# Altium PCB LED_12T-V2.0.PcbDoc
Units mm, origin at the board's own origin, x right, y up, seen from the top; angles counter-clockwise.
Board outline 152.4 x 101.6 mm, 2 copper layers (Top Layer, Bottom Layer); 37 components, 23 nets, 100 pads, 63 vias.
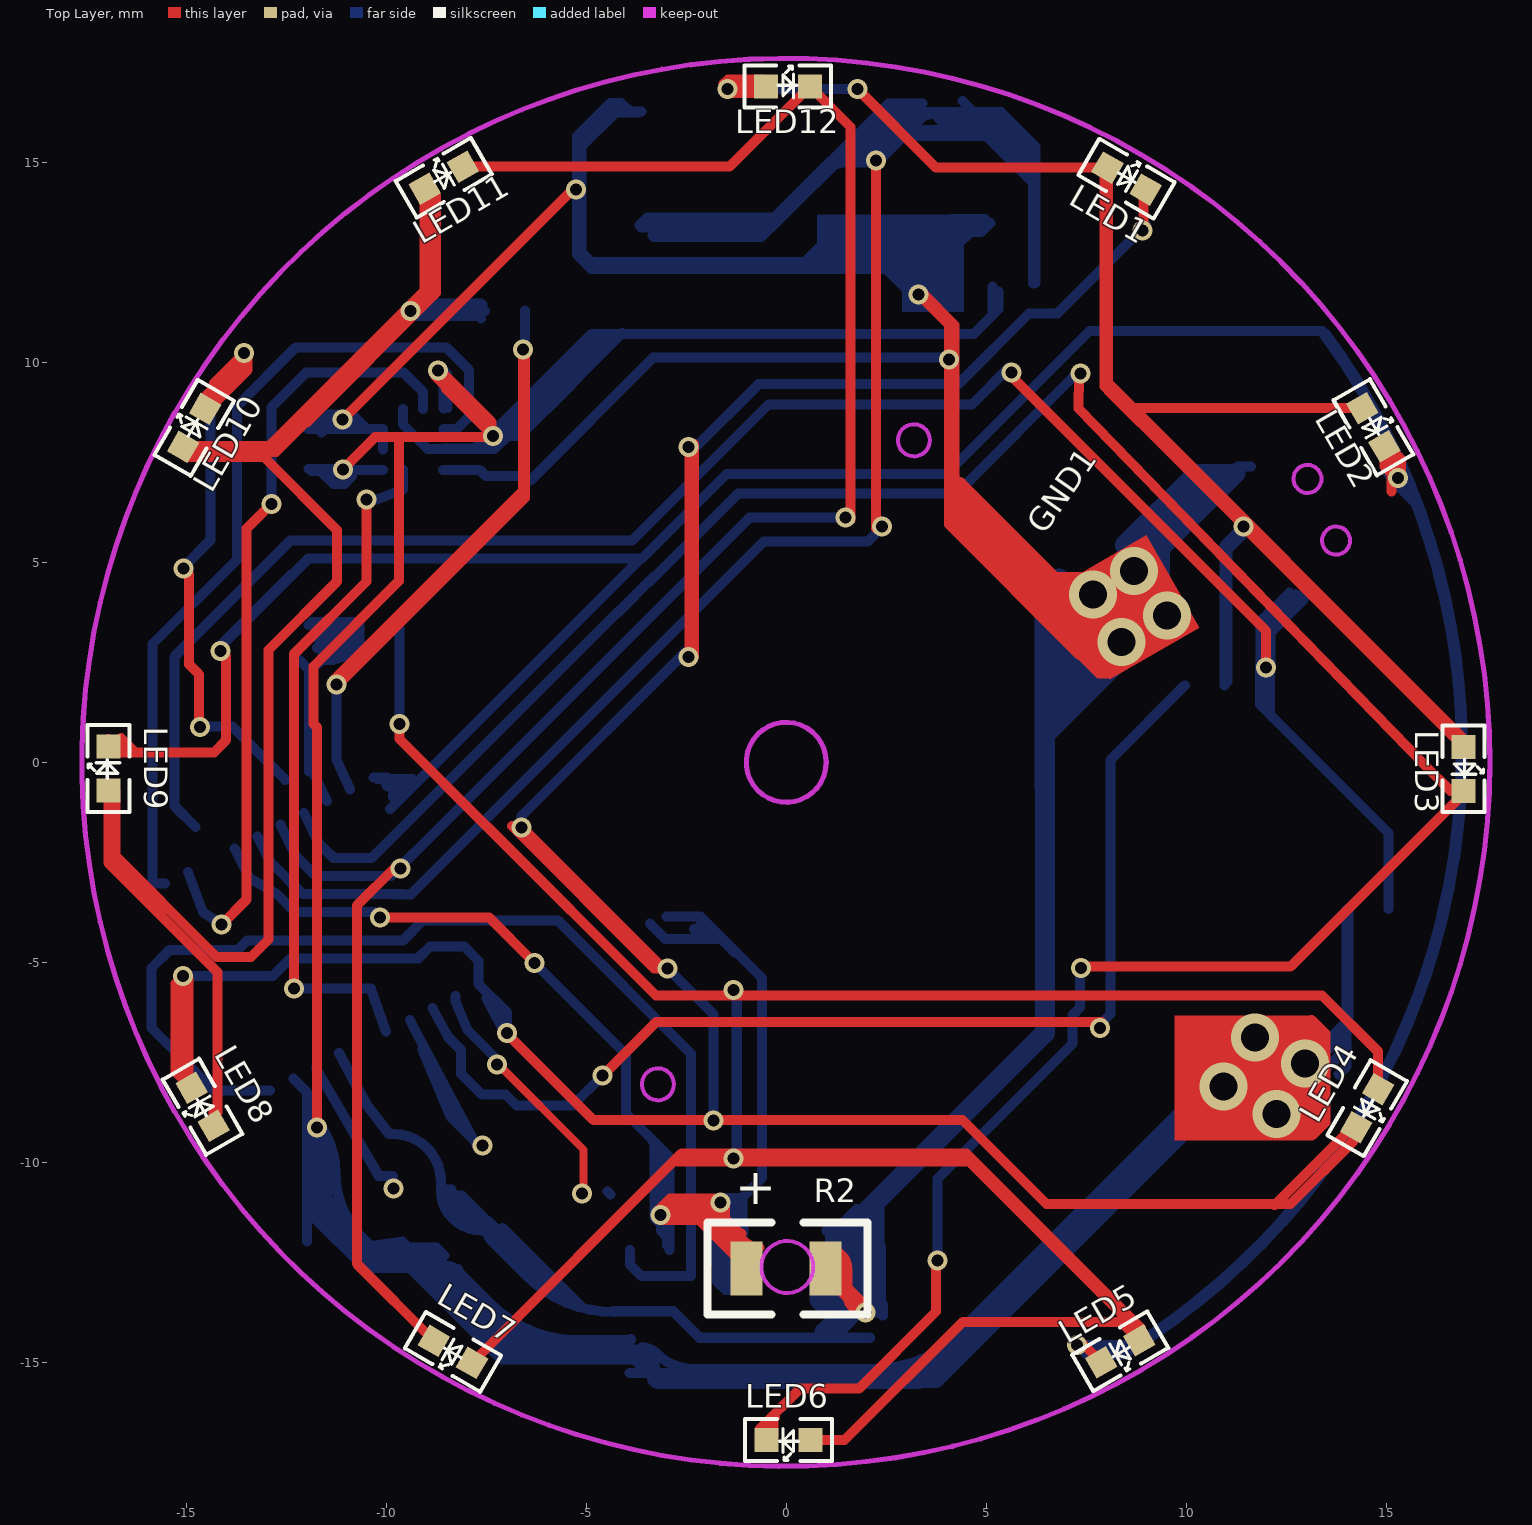
[diagram p0: Top Layer view]
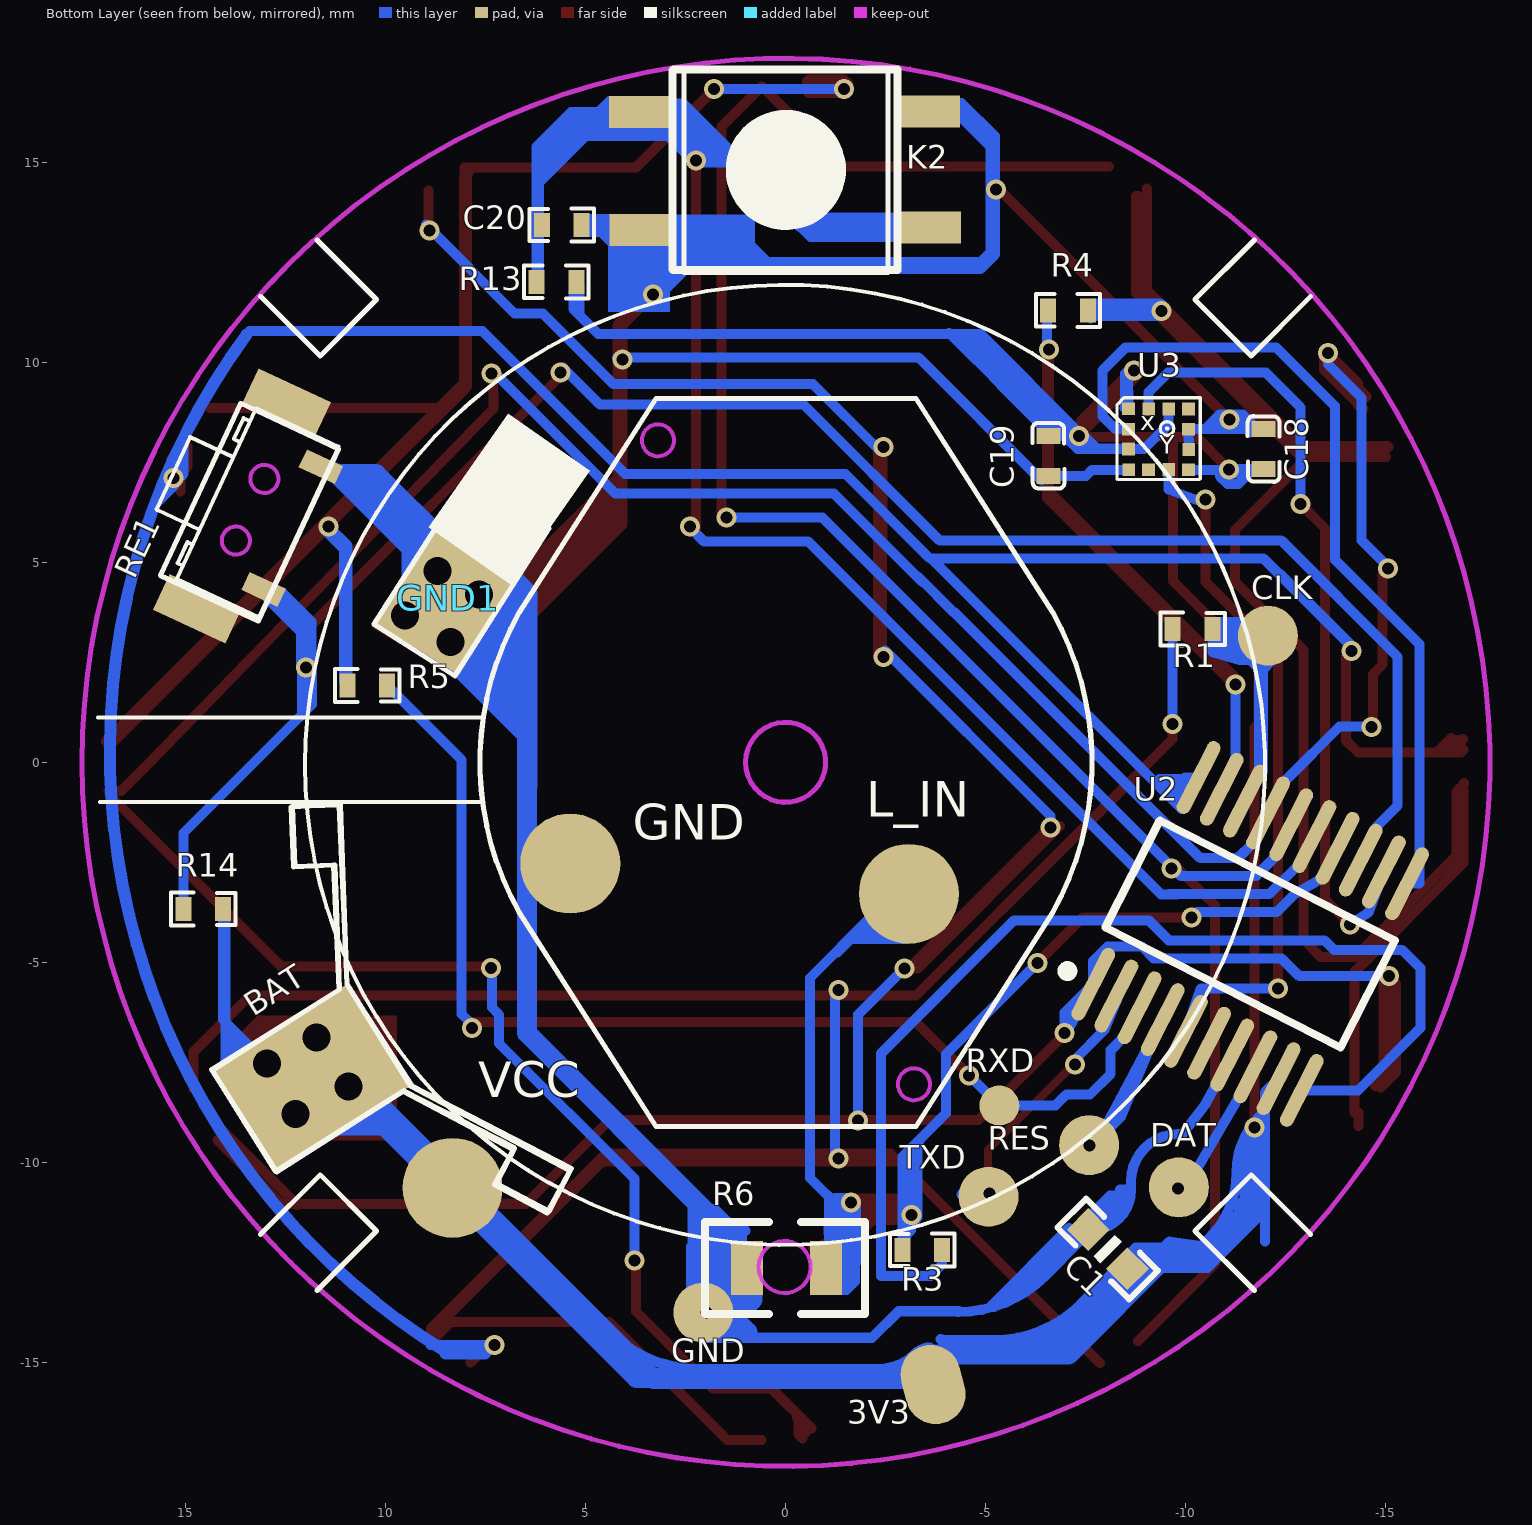
[diagram p1: Bottom Layer view, seen from below]

## Layer stack, top to bottom
Top Layer: signal copper 0.0356
Dielectric: dielectric 0.32, FR-4, Dk 4.8
Bottom Layer: signal copper 0.0356

## Board outline
-289.524,-161.624 -137.124,-161.624 -137.124,-60.024 -289.524,-60.024

## Design rules (kind name [scope] priority, off if disabled: settings)
Clearance [All] p1: gap=0.2
PolygonConnect [All] p1: connectstyle=Relief reliefconductorwidth=0.254 reliefentries=4 polygonreliefangle="90 Angle"
RoutingVias [All] p1: holewidth=0.3 width=0.5 viastyle="Through Hole" minholewidth=0.3 minwidth=0.5 maxholewidth=0.3 maxwidth=0.5
SilkscreenOverComponentPads [All] p1: minsilkscreentomaskgap=0.254
SolderMaskExpansion [All] p1: expansion=0.102
Width [All] p1: maxlimit=0.5 minlimit=0.127 preferedwidth=0.25
27 further rules are at their usual default settings.

## Classes and differential pairs
component class LED_12T-V2.0: 3V3 BAT C1 C18 C19 CLK DAT GND K2 LED1 LED2 LED3 LED4 LED5 LED6 LED7 LED8 LED9 LED10 LED11 LED12 R1 R2 R3 R4 R5 R13 R14 RE1 RES RXD TXD U2 U3

## Components (designator, comment, footprint, x,y, rotation, side; value= is the part's Value field where it differs from the comment)
3V3 "测试点" 测试点#1 -3.648,-15.58 r315 bottom
BAT "+" CR2450_Z 11.8,-7.504 r237.5 bottom
C1 "104" 0603P -8.049,-12.157 r225 bottom
C18 "104" 0402_C -11.939,7.861 r90 bottom
C19 "104" 0402_C -6.577,7.655 r270 bottom
C20 "104" 0402_R 5.662,13.455 r0 bottom (schematic designator R13)
CLK "测试点" 测试点#2 -12.107,3.175 r180 bottom
DAT "测试点" 测试点#2 -9.878,-10.616 r180 bottom
GND "GND" 测试点#2 2.008,-13.746 r180 bottom
GND1 "测试点" 测试点#3 8.465,4.161 r55 top
K2 "SW-02" 四向滚珠开关 0.017,14.813 r0 bottom
LED1 "LED" 0402_LED 8.519,14.58 r330 top
LED2 "LED" 0402_LED 14.679,8.364 r300 top
LED3 "LED" 0402_LED 16.922,-0.17 r270 top
LED4 "LED" 0402_LED 14.506,-8.646 r240 top
LED5 "LED" 0402_LED 8.331,-14.713 r210 top
LED6 "LED" 0402_LED 0.042,-16.922 r180 top
LED7 "LED" 0402_LED -8.338,-14.709 r150 top
LED8 "LED" 0402_LED -14.587,-8.579 r120 top
LED9 "LED" 0402_LED -16.933,-0.124 r90 top
LED10 "LED" 0402_LED -14.779,8.38 r60 top
LED11 "LED" 0402_LED -8.537,14.622 r30 top
LED12 "LED" 0402_LED 0.061,16.897 r0 top (schematic designator LED11)
R1 "1K" 0402_R -10.23,3.333 r180 bottom
R2 "1K" 0805_R -0.913,-12.641 r0 top
R3 "100K" 0402_R -3.351,-12.171 r0 bottom
R4 "1K" 0402_R -6.998,11.321 r0 bottom
R5 "1K" 0402_R 10.403,1.921 r180 bottom
R6 "1K" 0805_R -0.933,-12.635 r0 bottom (schematic designator R2)
R13 "1M" 0402_R 5.79,12.034 r0 bottom
R14 "1M" 0402_R 14.5,-3.672 r180 bottom
RE1 "KEY_M" "轻触开关 2x4" 13.281,6.271 r115 bottom
RES "测试点" 测试点#2 -7.638,-9.559 r180 bottom (schematic designator RESET)
RXD "测试点" 测试点#4 -5.39,-8.572 r180 bottom
TXD "测试点" 测试点#2 -5.121,-10.851 r180 bottom
U2 "N76E003" STSOP20 -11.984,-4.089 r297 bottom
U3 "SC7A21" LGA-12-2*2*1 -9.325,8.148 r180 bottom

## Footprints (in the part's own frame and the unit in brackets; to place one, negate y for a bottom-side part, rotate by r counter-clockwise, add the part's x,y. Pads: shape width x height; smd on the part's side, far side on the other; paste and mask are expansions set on the pad)
0402_C [mm]
  rect 0.4x0.6 smd: 1(-0.518,-0.008) 2(0.485,-0.01)
  silkscreen extent -0.84,-0.41 0.8,0.39
0402_LED [mm]
  rect 0.6x0.6 smd: 1(-0.568,0.013) 2(0.532,0.013)
  silkscreen extent -1.1,-0.51 1.07,0.54
0402_R [mm]
  rect 0.4x0.6 smd: 1(-0.558,0.013) 2(0.435,0.013)
  silkscreen extent -0.86,-0.4 0.75,0.42
0603P [mil]
  rect 30x30 smd: 1(-27,0) 2(27.5,-0.06)
  silkscreen extent -50,-20 50,20
0805_R [mm]
  rect 0.8x1.35 smd: 1(-0.076,0) 2(1.9,0)
  silkscreen extent -1.05,-1.15 2.95,1.15
CR2450_Z [mm]
  rect 3x4 smd paste+0: 1(0.288,-0.213)
  silkscreen extent -5.69,-2.27 6.31,4.04
LGA-12-2*2*1 [mm]
  rect 0.32x0.32 smd: 1(-0.757,0.702) 2(-0.76,0.19) 3(-0.758,-0.308) 4(-0.751,-0.826) 5(-0.253,-0.826) 6(0.25,-0.82) 7(0.748,-0.826) 8(0.75,-0.314) 9(0.748,0.19) 10(0.748,0.699) 11(0.25,0.696) 12(-0.251,0.699)
  silkscreen extent -1.04,-1.07 1.04,0.97
STSOP20 [mm]
  oval 2x0.35 smd: 1(3.241,-3.17) 2(3.241,-2.52) 3(3.241,-1.87) 4(3.241,-1.22) 5(3.241,-0.57) 6(3.241,0.08) 7(3.241,0.73) 8(3.241,1.38) 9(3.241,2.03) 10(3.241,2.68) 11(-2.559,2.68) 12(-2.559,2.03) 13(-2.559,1.38) 14(-2.559,0.73) 15(-2.559,0.08) 16(-2.559,-0.57) 17(-2.559,-1.22) 18(-2.559,-1.87) 19(-2.559,-2.52) 20(-2.559,-3.17)
  silkscreen extent -1.16,-4.02 3.37,3.06
四向滚珠开关 [mm]
  rect 1.5x0.8 smd: 1(-3.629,-1.47) 2(3.651,-1.454) 3(3.635,1.493) 4(-3.645,1.435)
  silkscreen extent -2.81,-2.52 2.81,2.49
测试点#1 [mm]
  oval 1.5x2 smd rot 150: 1(-0.051,0)
测试点#2 [mm]
  round 1.5 smd: 1(-0.051,0)
测试点#3 [mm]
  rect 2.5x3 smd far side rot 157: 1(-0.051,0)
测试点#4 [mm]
  round 1 smd: 1(-0.051,0)
"轻触开关 2x4" [mm]
  rect 0.5x1 smd: 1(-1.66,-1.025) 2(1.723,-1.025)
  Keep-Out Layer circle w0.1: c0.851,0.124 r0.35
  Keep-Out Layer circle w0.1: c-0.849,0.119 r0.35
  silkscreen extent -2.34,-1.22 2.37,2.25

## Part data
C18 C19: library part Cap, "Capac"

## Free pads (board coordinates)
  round 2.5 smd far side: 1(-3.078,-3.279) 1(5.385,-2.521) 1(8.329,-10.629)
  rect 1x2 smd far side rot 115: 1(12.488,8.982) 1(14.707,3.85)

## Via types
v1: diameter 0.5, hole 0.3, Top Layer to Bottom Layer, 55 vias
v2: diameter 1.2, hole 0.7, Top Layer to Bottom Layer, 8 vias

## Nets (pads, with @x,y where several pads share a name; then routed paths per layer and width w, separated by ;. In a path a pad name is that pad's centre, name@x,y a point inside that pad or via, vN(x,y) a via of type N, cw(c..) or ccw(c..) an arc to the next point about the centre after c; other vN are vias at no path point)
BAT: 3V3.1 BAT.1 C1.2 C18.1 C19.1 pad.1@8.329,-10.629 R13.1 R14.2 U2.9 U3.1 U3.3 U3.7 U3.11 | length 198.7
  Top Layer w0.25: v1(-11.724,-9.122) -11.724,0.881 -11.817,0.973 -11.817,2.408 -9.683,4.541 -9.683,8.034 ; v1@-11.008,7.328 -11.008,7.406 -10.275,8.139 v1@-7.3,8.139 ; v1@-8.768,9.66 -7.338,8.23 v1@-7.338,8.159 ; v1@-8.645,9.803 -7.364,8.521 v1@-7.364,8.204 ; -8.499,9.343 v1(-7.328,8.172) ; v2@11.936,-8.918 11.936,-8.945 12.303,-9.312 13.155,-9.312 13.478,-8.99 13.478,-6.774 13.137,-6.434 ; 13.308,-9.097 13.308,-6.694
  Bottom Layer w0.25: U2.9 -11.978,-8.241 -11.978,-8.868 ; -11.978,-11.967 -11.978,-8.868 ; C18.1 -11.343,7.344 ; -11.914,-8.933 U2.9@-11.914,-8.698 ; C18.1@-11.868,7.288 -11.638,7.288 -11.315,6.966 ; -11.823,-11.35 -10.542,-12.631 -9.218,-12.631 ; v1(-11.724,-9.122) -11.978,-8.868 ; -11.295,6.971 -11.046,6.971 -10.853,7.163 ; v1@-11.233,7.233 -11.343,7.344 ; -10.397,-12.076 -9.591,-11.967 C1.2@-8.85,-12.708 ; -10.146,-12.126 -8.742,-12.126 C1.2@-8.544,-12.324 ; U3.7 -11.017,7.322 -11.039,7.344 -11.343,7.344 ; U3.11 -9.576,8.454 -8.96,7.839 U3.3 -7.296,7.839 -6.963,8.172 ; -9.132,-12.708 C1.2@-8.85,-12.708 ; v1@-8.652,9.751 -8.561,9.66 U3.1@-8.561,8.884 ; v1@-8.606,9.854 -8.483,9.732 -8.483,8.884 -8.47,8.871 U3.1@-8.483,8.871 ; U3.1 -8.569,9.273 -8.499,9.343 ; U3.3@-8.56,7.839 -8.547,7.852 -7.784,7.852 -7.417,8.219 v1@-7.417,8.223 ; C1.2 -8.207,-12.652 -8.207,-12.709 -8.542,-12.709 C1.2@-8.85,-12.708 ; v1@-7.398,8.191 -4.867,10.722 4.694,10.722 5.155,11.182 R13.1@5.155,11.904 ; v1(-7.328,8.172) -6.963,8.172 ; v1@-7.197,8.167 -7.148,8.167 -5.974,9.341 ; -7.083,-14.315 -7.037,-14.269 -6.693,-14.269 -6.59,-14.372 -6.464,-14.372 ; C19.1@-6.765,8.306 -6.732,8.306 -5.672,9.366 ; C19.1@-6.626,8.192 -6.626,8.2 -5.362,9.464 ; C19.1 -6.963,8.172 ; -6.064,9.307 -6.015,9.307 -5.837,9.485 ; -6.021,9.534 -5.439,9.534 ; -5.938,9.297 -5.938,9.411 -4.74,10.61 ; -5.813,9.117 -5.709,9.117 -5.194,9.632 ; -5.767,9.436 -5.669,9.436 -4.438,10.667 ; -5.759,9.33 -5.506,9.33 -4.088,10.748 ; 3V3.1@-3.915,-15.261 3.357,-15.261 4.36,-14.258 BAT.1@10.09,-8.528 ; -3.877,-14.414 -3.877,-14.431 -7.127,-14.431 C1.2@-8.85,-12.708 ; 3V3.1@-3.419,-14.736 3V3.1@-3.231,-14.778 ; 4.949,10.976 4.949,10.982 5.311,11.344 R13.1@5.311,11.784 ; v2(10.936,-8.091) 10.528,-8.091 BAT.1@10.09,-8.528 ; v2(11.725,-6.865) 11.771,-6.911 11.771,-7.861 BAT.1 ; BAT.1@13.348,-7.464 13.348,-7.371 13.64,-7.079 ; BAT.1@13.515,-7.621 13.535,-7.621 13.817,-7.339 13.817,-6.829 ; BAT.1@13.806,-7.798 14.004,-7.6 R14.2@14.004,-3.671 ; R14.2 14.065,-6.422 v2(12.967,-7.52) 12.746,-7.52 12.406,-7.861 BAT.1 ; BAT.1@10.09,-8.528 10.341,-8.779 v2(12.262,-8.779) 12.262,-8.471 11.825,-8.034 BAT.1
  Bottom Layer w0.254: U2.9@-11.914,-8.698 ccw(c-11.744,-8.698) -11.864,-8.818 cw(c-13.295,-10.249) -11.271,-10.249 ccw(c-8.973,-10.249) -10.598,-11.874 -10.397,-12.076 ccw(c-8.817,-10.496) C1.2@-8.817,-12.73 ; -9.087,-12.22 -8.837,-12.47 C1.2@-8.604,-12.47 ; -8.811,-12.306 -8.708,-12.41 C1.2@-8.708,-12.418 ; C1.2@-8.52,-12.58 cw(c-8.52,-13.022) -8.207,-12.709 -7.378,-13.539 ccw(c-5.21,-11.371) -5.21,-14.437 ; C1.2@-8.479,-12.674 -8.479,-12.759 -7.086,-14.152 -6.783,-14.152 ; -7.114,-13.858 -7.029,-13.944 -7.029,-14.095 ; -3.933,-14.437 ccw(c-3.933,-14.358) -3.877,-14.414 ; 3V3.1@-3.609,-14.621 cw(c-3.609,-15.156) -3.231,-14.778 ccw(c-2.316,-13.863) -2.316,-15.156 2.192,-15.156 ccw(c2.192,-12.09) 4.36,-14.258 BAT.1@10.09,-8.528
  Bottom Layer w0.5: -11.721,-9.421 -11.721,-11.044 -10.459,-12.307 -9.557,-12.307 -7.074,-14.79 -3.745,-14.79 -3.426,-15.109 3V3.1@-3.399,-15.109 ; -11.707,-9.56 -11.596,-9.671 -11.596,-10.961 -11.444,-11.114 ; 3V3.1@-3.234,-15.377 -3.201,-15.411 3.311,-15.411 10.696,-8.026 BAT.1@10.696,-6.918 ; 3.244,-15.377 3.731,-15.377 10.042,-9.066 BAT.1@11.368,-9.066
  other v1: -11.081,7.329 -8.71,9.809
COM1: LED1.2 LED4.2 LED8.2 U2.1 | length 91.9
  Top Layer w0.25: -15.092,-7.769 -15.092,-5.408 v1@-15.078,-5.395 ; v1(-15.077,-5.338) -15.263,-5.523 -15.263,-7.726 LED8.2 ; v1@-14.94,-5.39 -14.94,-7.863 -14.73,-8.073 LED8.2@-14.73,-8.086 ; v1(-6.975,-6.76) -6.975,-6.78 -4.821,-8.933 4.408,-8.933 6.506,-11.031 12.608,-11.031 14.202,-9.437 ; v1@-6.856,-1.584 -3.299,-5.14 v1(-2.967,-5.14) ; v1@-6.567,-1.648 -3.086,-5.129 v1@-2.972,-5.129 ; v1@-2.413,7.972 v1@-2.411,2.612 ; v1@-2.306,2.647 v1@-2.306,7.972 ; v1@8.933,13.203 LED1.2@8.933,14.304 ; 12.213,-11.056 LED4.2@14.12,-9.148
  Bottom Layer w0.25: v1(-15.077,-5.338) -12.839,-5.338 -12.391,-4.89 -9.197,-4.89 -8.905,-4.598 -8.047,-4.598 -7.688,-4.957 U2.1 -6.975,-6.251 v1(-6.975,-6.76) ; U2.1@-7.488,-5.893 -7.065,-6.687 v1@-7.053,-6.681 ; U2.1@-7.153,-6.217 -7.065,-6.481 ; v1@-6.62,-1.564 -6.62,-1.334 v1@-2.486,2.8 ; v1(-2.967,-5.14) -1.811,-6.296 v1(-1.811,-8.946) ; v1@-2.335,7.814 -0.685,9.464 4.304,9.464 6.073,11.232 6.779,11.232 v1@8.996,13.449
  other v1: -6.62,-1.622 -2.446,2.647 -2.44,7.893 8.909,13.305
COM2: LED2.2 LED5.2 LED9.2 U2.20 | length 88.5
  Top Layer w0.25: LED9.2@-16.945,0.322 -16.88,0.257 -14.305,0.257 -14.001,0.561 -14.001,0.724 ; LED9.2@-16.936,0.592 -16.915,0.57 -16.58,0.57 -16.342,0.332 ; LED9.2@-16.87,0.354 -16.88,0.5 -16.63,0.615 ; LED9.2@-16.791,0.408 -16.774,0.392 -16.515,0.392 ; v1(-14.142,2.798) -14.007,2.664 -14.007,0.594 ; v1(7.275,-14.558) 7.445,-14.558 LED5.2 ; LED2.2 14.956,7.402 ; v1@15.123,7.235 14.956,7.402 ; 15.131,6.78 15.131,7.243 14.956,7.402
  Top Layer w0.3: 15.018,7.496 15.253,7.261 v1@15.253,7.253 ; LED2.2@15.057,7.809 15.112,7.809 15.347,7.574 v1@15.347,7.191 ; LED2.2@15.065,7.731 15.347,7.449
  Bottom Layer w0.25: v1(-14.142,2.798) -14.142,2.941 -12.379,4.703 ; v1@-14.112,2.937 -11.95,5.099 -3.649,5.099 ; U2.20 -9.982,-0.37 ; U2.20@-10.212,-0.408 -9.343,-0.408 ; -9.985,-0.576 -9.964,-0.597 -9.494,-0.597 ; U2.20@-9.898,-1.153 -9.893,-1.153 -3.65,5.09 ; -3.59,5.121 -1.493,7.218 4.012,7.218 7.585,10.791 13.405,10.791 13.412,10.785 ; v1(7.275,-14.558) 8.875,-14.558
  Bottom Layer w0.3: v1@7.38,-14.622 7.522,-14.765 8.511,-14.765 ; 8.483,-14.733 ccw(c-0.704,0.279) 13.474,10.706 ; 15.076,7.985 15.076,7.228 v1@15.249,7.055 ; v1@15.249,7.116 15.249,7.467 15.277,7.495 ; v1@15.292,6.964 15.754,6.502 15.754,6.486
  other v1: 15.3,7.112
COM3: LED3.2 LED6.2 LED10.2 U2.17 | length 86.6
  Top Layer w0.25: v1(-15.062,4.853) -14.923,4.715 -14.923,2.454 -14.68,2.211 v1@-14.68,0.898 ; LED10.2@-14.525,9.139 -14.525,9.15 v1@-13.64,10.036 ; LED10.2@-14.442,8.858 -14.421,8.858 -13.462,9.817 v1@-13.462,10.223 ; LED10.2@-14.432,9.108 -14.369,9.108 -13.577,9.9 ; LED10.2@-14.307,8.931 -14.307,9.494 v1(-13.556,10.244) ; LED6.2@-0.651,-16.647 0.348,-15.649 1.818,-15.649 3.746,-13.721 v1@3.746,-12.403 ; LED6.2@-0.509,-16.743 -0.509,-16.685 -0.428,-16.604 ; LED6.2@-0.416,-16.893 -0.416,-16.895 -0.316,-16.796 -0.316,-16.396 -0.284,-16.364 ; v1@7.319,9.667 7.307,8.86 15.987,-0.08 16.609,-0.702 LED3.2 ; v1@7.414,-5.096 12.612,-5.096 LED3.2@16.89,-0.818
  Bottom Layer w0.25: v1(-15.062,4.853) -15.062,4.895 -14.396,5.561 -14.396,9.123 -13.556,9.963 v1(-13.556,10.244) ; v1@-14.642,0.904 -13.846,0.904 -12.526,-0.416 U2.17@-12.526,-0.435 ; U2.17 U2.17@-11.684,-2.02 ; -3.416,4.517 -1.207,6.726 4.258,6.726 v1@7.348,9.816 ; -3.32,4.64 -4.21,3.75 -4.227,3.75 -10.365,-2.387 -11.287,-2.387 ; v1(3.782,-12.449) 3.782,-10.401 7.165,-7.019 7.165,-6.301 7.346,-6.12 v1@7.346,-5.195 ; U2.17@-11.684,-2.02 -11.316,-2.388 -11.287,-2.388 ; U2.17@-11.684,-2.02 -11.287,-2.387
  other v1: 7.373,-5.137 -14.648,0.898 7.356,9.728
COM4: LED7.2 LED11.2 LED12.2 U2.16 | length 54.7
  Top Layer w0.25: v1@-9.769,-2.604 -10.734,-3.57 -10.734,-12.526 LED7.2 ; LED11.2 -1.418,14.899 LED12.2 1.611,15.892 v1@1.611,6.063
  Bottom Layer w0.25: U2.16 -12.263,-2.325 -11.751,-2.838 -9.889,-2.838 -9.323,-2.271 ; -11.421,-2.838 -9.882,-2.838 -0.918,6.126 v1@1.456,6.126
  other v1: -9.643,-2.649 1.485,6.126
GET1: R5.2 RXD.1 U2.3 | length 28.5
  Top Layer w0.25: v1(-4.587,-7.82) -3.248,-6.481 v1@7.887,-6.481
  Bottom Layer w0.25: U2.3 -8.448,-6.863 -8.123,-7.187 -8.123,-7.783 -7.608,-8.297 -7.013,-8.297 -6.739,-8.572 RXD.1 v1(-4.587,-7.82) ; v1@7.813,-6.571 8.105,-6.279 8.105,0.072 R5.2
  other v1: 7.843,-6.63
GET2: CLK.1 R1.2 U2.18 | length 12.5
  Bottom Layer w0.25: CLK.1@-12.169,2.566 -11.928,2.326 U2.18@-11.928,-0.219 ; U2.18 -11.826,-0.225 -11.826,2.358 -11.623,2.562 -11.343,2.562 -10.665,2.765 R1.2 R1.2@-10.665,3.471
  Bottom Layer w0.254: CLK.1@-11.938,3.442 -11.925,3.442 -11.854,3.514 R1.2@-10.78,3.514 ; CLK.1@-11.738,3.3 -10.838,3.3 R1.2@-10.819,3.319 ; CLK.1@-11.725,2.873 -10.851,2.873 ; CLK.1@-11.705,3.093 -10.877,3.093 R1.2@-10.857,3.074 ; CLK.1@-11.589,2.692 -11.233,2.692 -11.175,2.75
GET3: R4.2 U2.19 | length 24.2
  Top Layer w0.25: v1@-11.31,2.068 -6.584,6.793 v1(-6.584,10.335) ; v1@-11.244,1.957 -11.195,1.957 -6.532,6.62 v1@-6.532,10.311
  Bottom Layer w0.25: v1(-11.242,1.952) -11.242,0.07 U2.19 ; v1(-6.584,10.335) -6.535,10.384 R4.2@-6.535,11.302
GND: C1.1 C18.2 C19.2 C20.1 GND1.1 GND.1 K2.1 K2.3 pad.1@5.385,-2.521 R2.2 R6.2 RE1.2 U2.7 U3.4 U3.8 U3.9 | length 221.8
  Top Layer w0.25: v1(-11.089,8.575) v1@-5.325,14.339 ; R2.2@1.09,-12.593 R2.2@1.09,-12.365 ; R2.2@1.101,-12.538 1.101,-12.701 v1@2.077,-13.678 ; R2.2@1.112,-12.604 1.112,-12.951 v1@1.958,-13.797 ; v1(3.312,11.706) 4.074,10.944 4.074,5.952 7.329,2.697 v2@8.406,2.697 ; v1@3.383,11.773 4.211,10.945 4.211,6.768 7.331,3.647 8.732,3.647 ; 4.134,6.513 7.892,2.755 v2@8.21,2.755 ; 6.386,4.658 6.405,4.639 v2@8.539,4.639 ; 6.434,3.781 7.321,2.894 7.321,2.737 7.826,2.233 8.086,2.233 ; v2(8.381,3.023) 8.381,4.479 v2(8.7,4.798) 9.519,3.98 v2(9.519,3.675)
  Top Layer w0.254: R2.2@1.056,-12.18 cw(c1.056,-12.653) 1.529,-12.653 1.529,-13.288 ccw(c1.984,-13.288) v1(1.984,-13.743) ; 1.405,-12.897 1.405,-12.571 1.448,-12.528
  Top Layer w0.5: 4.236,6.08 7.777,2.539 v2@8.108,2.539 ; 4.29,6.908 7.481,3.716 8.385,3.716
  Bottom Layer w0.25: C18.2@-11.956,8.393 -11.74,8.393 -11.43,8.703 -10.842,8.703 -10.568,8.429 ; C18.2 -11.318,8.347 ; -11.611,8.261 -11.377,8.495 v1@-11.183,8.495 ; -11.514,8.482 -10.754,8.482 ; v1(-11.089,8.575) -11.318,8.347 ; U3.8 -10.076,8.073 -10.073,8.076 U3.9 -11.029,8.337 -11.039,8.347 -11.318,8.347 ; -8.632,-10.68 -8.632,-10.672 -8.362,-10.672 -8.362,-10.875 C1.1 ; U3.4 -7.66,7.322 -7.508,7.17 C19.2 ; -8.484,-10.816 -8.105,-10.816 C1.1@-7.58,-11.342 ; C1.1@-7.576,-11.46 -7.438,-11.46 -5.44,-13.458 ; C1.1@-7.088,-11.627 -5.146,-13.569 ; C19.2@-6.527,7.085 C19.2@-6.527,7.171 ; C19.2@-6.4,7.051 -3.324,10.127 v1@4.22,10.127 ; -5.116,15.406 -4.262,16.26 K2.1@-3.678,16.26 ; K2.1@-3.948,16.338 -3.97,16.338 -4.126,16.495 -4.397,16.495 -5.23,15.662 -5.23,12.701 -4.874,12.345 2.813,12.345 3.212,11.946 ; K2.1 -4.435,16.283 -5.118,15.6 -5.118,12.769 -4.868,12.518 1.331,12.518 2.133,13.32 ; 0.743,-13.483 1.47,-12.755 1.47,-12.582 ; 1.034,13.32 2.133,13.32 ; 1.133,-13.407 1.361,-13.407 GND.1@1.567,-13.2 ; R6.2@1.245,-12.568 R6.2@1.255,-12.568 ; R6.2@1.245,-12.227 R6.2@1.255,-12.227 ; R6.2@1.274,-13.287 1.285,-13.298 1.285,-13.331 ; 1.378,-12.559 1.463,-12.559 1.558,-12.559 ; 1.529,-12.445 1.529,-12.45 1.605,-12.45 1.636,-12.48 1.558,-12.559 ; 1.672,-12.805 1.672,-12.776 1.681,-12.776 ; 1.719,-12.559 1.669,-12.559 1.558,-12.559 ; GND.1@1.87,-13.07 1.87,-13.061 1.87,-12.777 1.661,-12.568 1.548,-12.568 ; v1(1.984,-13.743) 1.255,-13.014 R6.2@1.255,-12.568 ; GND.1@2.022,-13.543 GND.1@2.254,-13.543 ; GND.1@2.254,-13.467 GND.1@2.254,-13.543 ; GND.1@2.414,-13.817 2.423,-13.817 2.423,-13.543 GND.1@2.254,-13.543 ; v1(3.312,11.706) K2.3@3.312,13.32 ; K2.3 K2.3@3.312,13.32 ; K2.3@4.031,13.46 4.061,13.491 C20.1@5.114,13.491 ; K2.3@4.031,13.491 4.132,13.592 C20.1@4.973,13.592 ; K2.3@4.234,13.055 4.234,13.06 4.608,13.435 ; K2.3@4.299,12.954 4.608,13.263 4.871,13.263 5.069,13.46 C20.1@5.069,13.485 ; v2(7.674,4.202) 8.104,4.202 v2(8.7,4.798) 11.302,7.4 RE1.2 ; GND1.1 8.715,4.119 9.159,3.675 v2(9.519,3.675) ; GND1.1@9.369,4.082 9.475,4.188 9.475,5.476 ; R6.2@1.255,-12.568 1.382,-12.62 1.463,-12.653 1.548,-12.568 ; R6.2@1.255,-12.568 1.548,-12.568 ; 1.548,-12.568 1.558,-12.559 ; 2.133,13.32 K2.3@3.312,13.32
  Bottom Layer w0.254: U2.7@-11.173,-7.263 -11.153,-7.303 -10.497,-8.538 -9.921,-9.285 -9.814,-9.285 cw(c-9.814,-10.467) -8.632,-10.467 -8.632,-10.68 ccw(c-7.622,-10.68) C1.1@-7.622,-11.691 ; -8.518,-10.928 -7.829,-11.617 C1.1@-7.829,-11.66 ; C1.1@-7.576,-11.575 -6.063,-13.088 ; C1.1@-7.487,-11.66 ccw(c-7.084,-11.66) -7.369,-11.944 -6.478,-12.835 ccw(c-4.31,-10.667) -4.31,-13.733 ; -4.329,-13.713 -2.823,-13.713 -2.158,-14.377 GND.1@2.094,-14.377 ; 0.453,12.505 1.02,13.072 1.237,13.072 ; 1.006,-11.7 1.061,-11.645 1.538,-11.645 2.032,-12.139 ; R6.2@1.093,-12.189 1.093,-11.835 1.766,-11.162 1.908,-11.162 ; R6.2@1.169,-12.151 cw(c1.169,-12.227) 1.245,-12.227 1.245,-12.568 ccw(c1.842,-12.568) GND.1@1.842,-13.165 ; 1.208,-14.377 2.094,-13.491 GND.1@2.094,-13.279 ; R6.2@1.274,-12.18 cw(c1.274,-12.776) 1.87,-12.776 GND.1@1.87,-13.061 ; R6.2@1.305,-12.003 1.305,-11.959 ; 1.378,-12.559 ccw(c1.88,-12.559) GND.1@1.87,-13.061 ; 1.382,-11.826 1.938,-12.381 1.969,-12.381 ; 1.413,-12.045 1.781,-12.413 1.891,-12.413 ; 1.463,-12.397 1.463,-12.653 ccw(c1.719,-12.653) 1.719,-12.909 ; 1.529,-12.445 cw(c1.529,-12.587) 1.672,-12.587 1.672,-12.805 ; 1.598,-11.693 1.598,-11.622 1.784,-11.436 ; 1.681,-12.776 ccw(c1.681,-12.739) 1.719,-12.739 1.719,-12.559 ; GND.1@1.87,-13.07 GND.1@1.87,-13.061 ; GND.1@1.965,-13.061 1.88,-13.061 cw(c1.88,-12.559) GND.1@1.87,-13.061 ; GND.1@2.022,-13.543 2.022,-12.146 ; 2.037,12.738 2.108,12.738 v1@3.075,11.771 ; GND.1@2.208,-13.2 2.208,-12.343 ; GND.1@2.213,-13.733 cw(c2.213,-14.018) GND.1@2.414,-13.817 ; GND.1@2.37,-13.439 2.37,-12.094
  Bottom Layer w0.5: R6.2@0.933,-12.73 0.933,-12.818 0.836,-12.916 0.836,-13.426 1.048,-13.639 ; 0.96,-14.236 1.855,-13.341 GND.1@1.855,-13.27 ; 1.234,-13.74 1.234,-13.367 ; GND.1@1.712,-13.15 1.734,-13.15 2.211,-12.673 2.211,-11.088 ; GND.1@1.898,-13.327 1.898,-11.327 6.466,-6.759 6.466,0.702 GND1.1@8.791,3.026 ; 6.454,-0.594 6.454,4.239 GND1.1@6.82,4.605 ; 6.84,1.213 6.84,4.239 GND1.1@7.043,4.442 ; 7.287,1.782 GND1.1@7.287,4.239 ; GND1.1@7.652,3.427 7.754,3.325 7.754,2.127 ; GND1.1@8.477,5.424 8.477,5.445 10.249,7.217 RE1.2@11.166,7.217 ; GND1.1@8.748,5.226 10.488,6.967 ; GND1.1@9.061,4.705 9.061,5.07 RE1.2@11.239,7.248
  other v1: 4.076,10.075 -5.253,14.333
I2C_SCL: U2.12 U3.12 | length 19.8
  Top Layer w0.25: v1(-14.112,-4.042) -13.486,-3.416 -13.486,5.855 v1(-12.867,6.473)
  Bottom Layer w0.25: U2.12 -14.58,-3.738 v1(-14.112,-4.042) ; v1(-12.867,6.473) -12.867,8.886 -12.004,9.75 -9.558,9.75 -9.075,9.267 U3.12
I2C_SDA: U2.11 U3.2 | length 21.7
  Bottom Layer w0.25: U2.11 -15.839,-3.026 -15.839,2.966 -13.731,5.074 -13.731,8.912 -12.258,10.385 -8.499,10.385 -7.924,9.81 -7.924,8.658 -8.244,8.337 U3.2
ICE_DAT: DAT.1 U2.8 | length 3.8
  Bottom Layer w0.25: DAT.1@-10.177,-10.338 -9.827,-10.338 DAT.1
  Bottom Layer w0.254: U2.8 -11.736,-7.669 DAT.1@-10.177,-10.338
  other v1: -9.813,-10.644
INT1: U3.5
INT2: U2.5 U3.6 | length 17.5
  Top Layer w0.25: v1(-12.309,-5.643) -12.309,2.714 -10.49,4.532 v1(-10.49,6.575)
  Bottom Layer w0.25: v1(-12.309,-5.643) -10.379,-5.643 U2.5 ; v1(-10.49,6.575) -10.251,6.575 -9.576,6.829 U3.6
KEY1: R14.1 RE1.1 U2.13 | length 55.5
  Top Layer w0.25: v1@5.566,9.731 11.999,3.298 v1(11.999,2.384)
  Bottom Layer w0.25: U2.13@-14.764,-1.606 -15.297,-1.074 -15.297,2.648 -12.386,5.559 -11.692,5.559 -11.683,5.55 -3.851,5.55 -0.443,8.957 4.648,8.957 v1@5.565,9.874 ; v1@11.846,2.446 11.846,1.456 15.058,-1.756 R14.1 ; v1@11.916,2.298 11.895,2.298 11.854,2.34 11.854,3.528 RE1.1@12.583,4.257 ; 11.947,3.403 11.947,3.413 RE1.1@12.739,4.205 ; v1(11.999,2.384) 11.999,3.28 RE1.1 ; 12.006,2.899 12.006,2.889 12.095,2.801 12.095,1.202 12.164,1.133 ; v1@12.114,2.402 12.114,3.257 RE1.1@12.937,4.08
  other v1: 5.63,9.752
KEY2: C20.2 K2.2 K2.4 R13.2 U2.15 | length 90.7
  Top Layer w0.25: v1@2.246,5.86 v1(2.246,15.058)
  Bottom Layer w0.25: U2.15 -12.843,-2.58 -12.791,-2.58 -12.084,-3.288 -9.584,-3.288 ; -9.775,-3.289 -9.38,-3.289 -0.557,5.534 2.048,5.534 v1@2.395,5.881 ; K2.4@-3.666,13.437 -3.468,13.635 -0.287,13.635 2.56,16.482 K2.2@3.405,16.482 ; K2.4 -0.364,13.378 1.781,15.523 ; K2.4@-3.342,13.178 -3.31,13.147 -0.623,13.147 -0.234,13.536 ; K2.4@-3.19,13.418 -0.542,13.418 -0.441,13.519 ; 1.319,14.986 1.343,15.01 v1@2.313,15.01 ; 1.437,15.166 v1@2.157,15.166 ; 1.75,15.339 1.773,15.315 1.992,15.315 ; 1.906,15.401 2.854,16.349 2.908,16.349 ; 2.008,15.378 2.893,16.262 K2.2@3.049,16.262 ; v1@2.133,15.252 3.081,16.2 K2.2@3.582,16.2 ; v1@2.227,15.135 3.269,16.176 K2.2@3.308,16.176 ; v1(2.246,15.058) 1.781,15.523 ; v1@2.306,15.033 3.425,16.153 K2.2@3.425,16.161 ; 2.483,15.85 2.513,15.821 5.403,15.821 ; 2.513,15.663 5.512,15.663 5.857,15.318 ; K2.2@3.79,16.128 3.894,16.024 5.185,16.024 6.176,15.034 R13.2@6.176,11.985 ; K2.2@4.393,16.144 4.823,16.144 6.169,14.799 R13.2@6.169,12.1 ; K2.2@4.406,16.54 4.846,16.099 4.846,16.084 ; 4.505,15.9 4.772,15.9 6.133,14.538 ; 5.158,16.18 5.193,16.18 6.152,15.221 ; R13.2@6.232,11.998 6.232,15.405 5.37,16.267 K2.2 2.525,16.267 1.781,15.523
  other v1: 2.395,5.909
LED12_A: LED1.1 LED2.1 LED3.1 LED12.1 R5.1 | length 70.7
  Top Layer w0.25: v1@-1.564,16.976 -1.457,17.083 -0.579,17.083 -0.53,17.035 LED12.1@-0.53,17.021 ; v1@-1.467,16.796 -1.416,16.745 -0.565,16.745 -0.548,16.762 LED12.1@-0.548,16.776 ; v1(-1.463,16.836) -1.389,16.91 LED12.1 ; v1(1.788,16.836) 3.749,14.876 LED1.1 8.033,10.486 ; LED1.1@7.929,14.748 7.962,14.715 7.962,9.404 11.4,5.966 v1@11.4,5.865 ; 7.975,11.071 8.034,11.013 8.034,9.325 8.839,8.519 ; LED1.1@8.044,14.633 8.044,9.499 16.999,0.544 LED3.1@16.999,0.531 ; 8.489,8.862 LED2.1 ; v1(11.43,5.904) LED3.1
  Bottom Layer w0.25: v1(-1.463,16.836) v1(1.788,16.836) ; R5.1 10.961,5.435 v1(11.43,5.904) ; R5.1@10.995,1.999 11.002,1.999 11.04,2.036 11.04,5.327 v1@11.532,5.819
LIGNT_IN1: pad.1@-3.078,-3.279 R2.1 R3.2 R6.1 U2.14 | length 59.4
  Top Layer w0.25: v1(-10.15,-3.865) -7.432,-3.865 v1(-6.289,-5.008) ; v1@-3.207,-11.204 -2.903,-10.9 -1.807,-10.9 -1.71,-10.998 -1.753,-10.998 -1.959,-11.204 v1@-3.121,-11.204 ; v1(-3.144,-11.309) -1.789,-11.309 -1.182,-11.916 ; v1@-3.125,-11.432 -1.912,-11.432 R2.1@-1.192,-12.152 ; v1@-3.068,-11.423 -2.187,-11.423 -1.192,-12.418 R2.1@-1.192,-12.579 ; -2.936,-11.041 -1.656,-11.041 v1@-1.634,-11.063 ; v1@-1.836,-11.016 -1.798,-11.053 -1.798,-11.48 ; v1(-1.637,-10.997) -1.599,-11.035 -1.599,-11.584 ; v1@-1.524,-10.997 -1.524,-11.404 -1.164,-11.764 -1.116,-11.764
  Top Layer w0.254: -1.056,-11.964 ccw(c-0.674,-11.581) R2.1@-0.674,-12.122
  Bottom Layer w0.25: U2.14 -13.422,-2.885 -12.728,-3.28 -12.27,-3.738 -10.277,-3.738 v1(-10.15,-3.865) ; v1(-6.289,-5.008) -4.003,-7.294 -4.003,-8.767 -2.915,-9.854 R3.2 ; pad.1@-3.407,-4.022 -3.027,-4.403 -1.627,-4.403 -1.29,-4.74 ; -3.343,-9.452 -3.295,-9.5 -3.295,-11.376 -3.182,-11.489 v1@-3.182,-11.499 ; -3.163,-9.632 -3.134,-9.661 v1@-3.134,-11.205 ; v1(-3.144,-11.309) -3.087,-11.366 v1@-2.935,-11.366 ; v1@-3.134,-11.252 -3.134,-11.698 -2.983,-11.849 R3.2@-2.983,-12.067 ; pad.1@-2.989,-3.85 -2.14,-3.85 -0.607,-5.383 -0.607,-10.382 -1.373,-11.148 -1.373,-11.278 ; pad.1@-2.309,-4.155 -2.167,-4.297 -1.804,-4.297 ; pad.1@-2.158,-4.075 -2.008,-4.226 -2.008,-4.288 ; -1.762,-11.361 -1.762,-12.51 -1.524,-12.747 -1.287,-12.747 R6.1@-1.087,-12.547 ; v1@-1.751,-10.968 -1.751,-11.404 -1.239,-11.916 R6.1@-1.239,-12.029 ; -1.734,-12.381 -1.734,-12.966 -1.514,-13.186 -1.254,-13.186 -1.115,-13.047 R6.1@-1.098,-13.047 ; v1@-1.647,-10.906 -1.647,-10.895 -1.636,-10.884 -1.234,-10.884 ; v1(-1.637,-10.997) -1.637,-11.224 -1.088,-11.773 R6.1@-1.088,-12.067 ; -1.561,-12.925 -1.549,-12.937 R6.1@-1.248,-12.937 ; v1@-1.533,-11.053 -1.069,-11.518 -1.069,-11.755 ; -1.524,-12.644 -1.524,-11.554 -1.517,-11.547 ; R6.1@-1.391,-12.673 -1.391,-11.717 -1.376,-11.702 ; R6.1@-1.278,-12.006 -1.278,-11.973 -1.086,-11.781 -1.086,-10.895 ; -1.201,-11.131 -1.196,-11.137 -1.196,-11.186
LIGNT_VDD: R3.1 U2.10 | length 28
  Bottom Layer w0.25: U2.10 -14.305,-8.193 -15.865,-6.633 -15.865,-5.135 -15.407,-4.677 -13.706,-4.677 -13.468,-4.44 -9.575,-4.44 -9.076,-3.941 -5.71,-3.941 -2.377,-7.274 -2.377,-12.831 -3.622,-12.831 -3.909,-12.544 R3.1
NetLED4_1: LED4.1 LED5.1 LED6.1 LED7.1 R1.1 | length 79.5
  Top Layer w0.25: v1(-9.667,0.961) -9.667,0.59 -7.475,-1.602 -7.474,-1.602 -3.255,-5.82 13.396,-5.82 14.801,-7.225 LED4.1 ; LED7.1 -2.62,-9.772 4.503,-9.772 8.867,-14.136 LED5.1@8.867,-14.211 ; -2.719,-9.967 4.58,-9.967 LED5.1@8.917,-14.304 ; LED6.1 1.461,-16.936 4.418,-13.979 8.368,-13.979 LED5.1
  Bottom Layer w0.25: R1.1 -9.672,1.977 v1(-9.667,0.961)
  Bottom Layer w0.254: v1(-1.317,-5.678) -1.257,-5.678 -1.233,-5.702 v1@-1.233,-9.892
  other v1: -1.317,-9.892
NetLED8_1: LED8.1 LED9.1 LED10.1 LED11.1 R4.1 | length 62.8
  Top Layer w0.25: LED9.1@-16.961,-0.513 -16.961,-0.539 -16.765,-0.735 -16.765,-2.362 -16.405,-2.722 ; LED9.1 -16.946,-2.148 ; LED10.1 -15.049,7.921 -13.833,7.921 ; LED10.1@-15.008,7.64 -13.052,7.64 -11.233,5.821 -11.233,4.527 -12.944,2.816 -12.944,-4.423 -13.375,-4.855 -14.239,-4.855 -16.946,-2.148 ; LED10.1@-14.988,7.788 -14.852,7.923 -12.916,7.923 -12.162,8.677 ; LED10.1@-14.845,7.771 -12.751,7.771 -11.87,8.652 ; LED8.1 -14.314,-8.741 -14.214,-8.741 -14.214,-5.236 -16.946,-2.504 -16.946,-2.148 ; -12.262,8.574 -9.036,11.8 LED11.1 ; -12.012,8.489 -8.754,11.746 -8.754,14.163 ; -8.906,11.696 -8.906,14.063 LED11.1@-8.805,14.163
  Bottom Layer w0.25: v1@-9.419,11.27 -9.403,11.287 R4.1@-7.528,11.287 ; v1@-9.403,11.45 -9.371,11.482 -7.634,11.482 -7.601,11.45 R4.1@-7.593,11.45 ; v1@-9.362,11.164 -7.683,11.164 R4.1@-7.626,11.107
  other v1: -9.392,11.293
RESET: RES.1 U2.4 | length 6.6
  Bottom Layer w0.25: U2.4@-9.409,-6.427 -8.376,-8.377 -7.709,-9.624 -7.702,-9.638 -7.666,-9.638 RES.1 ; U2.4@-9.095,-7.161 -8.384,-8.856 RES.1@-7.702,-9.539
  other v1: -7.595,-9.571
TXD: TXD.1 U2.2 | length 6.3
  Top Layer w0.2: v1@-7.254,-7.522 -7.217,-7.522 -5.06,-9.678 v1@-5.06,-10.851
  Bottom Layer w0.25: U2.2 -8.267,-5.973 -7.965,-6.684 v1@-7.254,-7.395 ; TXD.1@-4.46,-10.722 TXD.1@-4.389,-10.793
  other v1: -5.098,-10.775 -7.229,-7.547
pads on no net: U2.6 U3.10
copper on no net: | length 0.1
  Bottom Layer w0.25: -9.829,-0.856 -9.829,-0.793 ; -9.742,-0.77 -9.742,-0.75

## Keep-outs
Keep-Out Layer:
  circle w0.1: c0.027,-12.608 r0.65
  circle w0.1: c-3.207,-8.04 r0.4
  circle w0.1: c3.193,8.06 r0.4
  circle w0.127: c-0.007,0.01 r17.6
  circle w0.127: c0.003,0.01 r1

## Other copper
Top Layer:
  region net GND: 10.341,3.373 9.003,5.691 6.752,4.392 8.09,2.073
  region net BAT: 13.188,-6.316 9.714,-6.316 9.714,-9.441 13.188,-9.441
Bottom Layer:
  region net GND: 4.445,13.699 2.895,13.699 2.895,11.262 4.445,11.262
  region net GND: 4.075,13.708 0.768,13.708 0.768,12.373 4.075,12.373

## Silkscreen, mask and mechanical layers (free items; w line width, h text height)
Top Overlay:
  text "+" at -1.27,-9.965 h1.52 r180
  text "玻纤双面板 有铅喷锡  35*35mm 厚度=0.6mm," at -15.435,-27.053 h1.52
Bottom Overlay:
  circle w0.1: c0.017,-0.053 r12
  region: 6.937,8.731 4.89,7.297 6.886,4.447 8.933,5.881
  lines w0.1: 7.6,-0.983 17.141,-0.983 ; 7.6,1.133 17.189,1.128
  lines w0.127: -13.124,-11.791 -11.636,-10.303 -10.229,-11.71 -11.717,-13.198 ; -13.124,11.658 -11.636,10.17 -10.229,11.577 -11.717,13.065 ; 11.72,-13.198 10.232,-11.71 11.64,-10.303 13.128,-11.791 ; 11.72,13.065 10.232,11.577 11.64,10.17 13.128,11.658 ; -6.674,-3.74 cw(c-0.007,0.01) -6.674,3.76 -3.257,9.11 3.243,9.11 6.661,3.76 cw(c-0.007,0.01) 6.661,-3.74 3.243,-9.09 -3.257,-9.09 -6.674,-3.74 ; -2.557,12.26 2.543,12.26 2.543,17.36 -2.557,17.36 -2.557,12.26 ; 5.358,-10.145 5.91,-11.21 7.242,-10.52 6.781,-9.632 9.546,-8.197 12.723,-10.226 14.338,-7.698 11.162,-5.669 11.301,-2.556 12.3,-2.601 12.368,-1.103 11.169,-1.049 10.967,-5.544 9.352,-8.072 5.358,-10.145 ; 5.917,5.854 7.939,7.146 10.295,3.458 8.273,2.166 5.917,5.854 ; 11.18,7.843 13.188,3.538 15.635,4.679 13.627,8.984 11.18,7.843
  text "L_IN" at -2.014,-1.654 h1.52
  text "GND" at 3.824,-2.225 h1.52
  text "VCC" at 7.691,-8.67 h1.52
Bottom Solder:
  lines w0.2: -41.163,12.263 -40.864,11.433 -40.705,11.176 -40.259,11.048 ; -40.901,11.946 -40.632,11.292 ; -40.809,12.086 -40.473,11.152
Mechanical 15:
  lines w0.127: -22.756,-0.021 19.629,-0.049 ; 0.004,-22.707 0.031,19.679

## Text inside footprints (layer, text, board x,y; h text height)
U3: Bottom Overlay "Y" at -9.333,7.562 h0.8; Bottom Overlay "x" at -8.86,8.15 h0.8